# Altium PCB Carte_GR_2017_logique_v1_ECO_JEAN.PcbDoc (part 3 of 3)
Units mil, origin at the board's own origin, x right, y up, seen from the top; angles counter-clockwise.
Board outline 5300 x 3800 mil, 4 copper layers (Component Side, Ground, Power, Solder Side), stack 38.234 mil thick; 359 components, 303 nets, 1044 pads, 134 vias.
Unrouted connection lines stored in the file: 16.
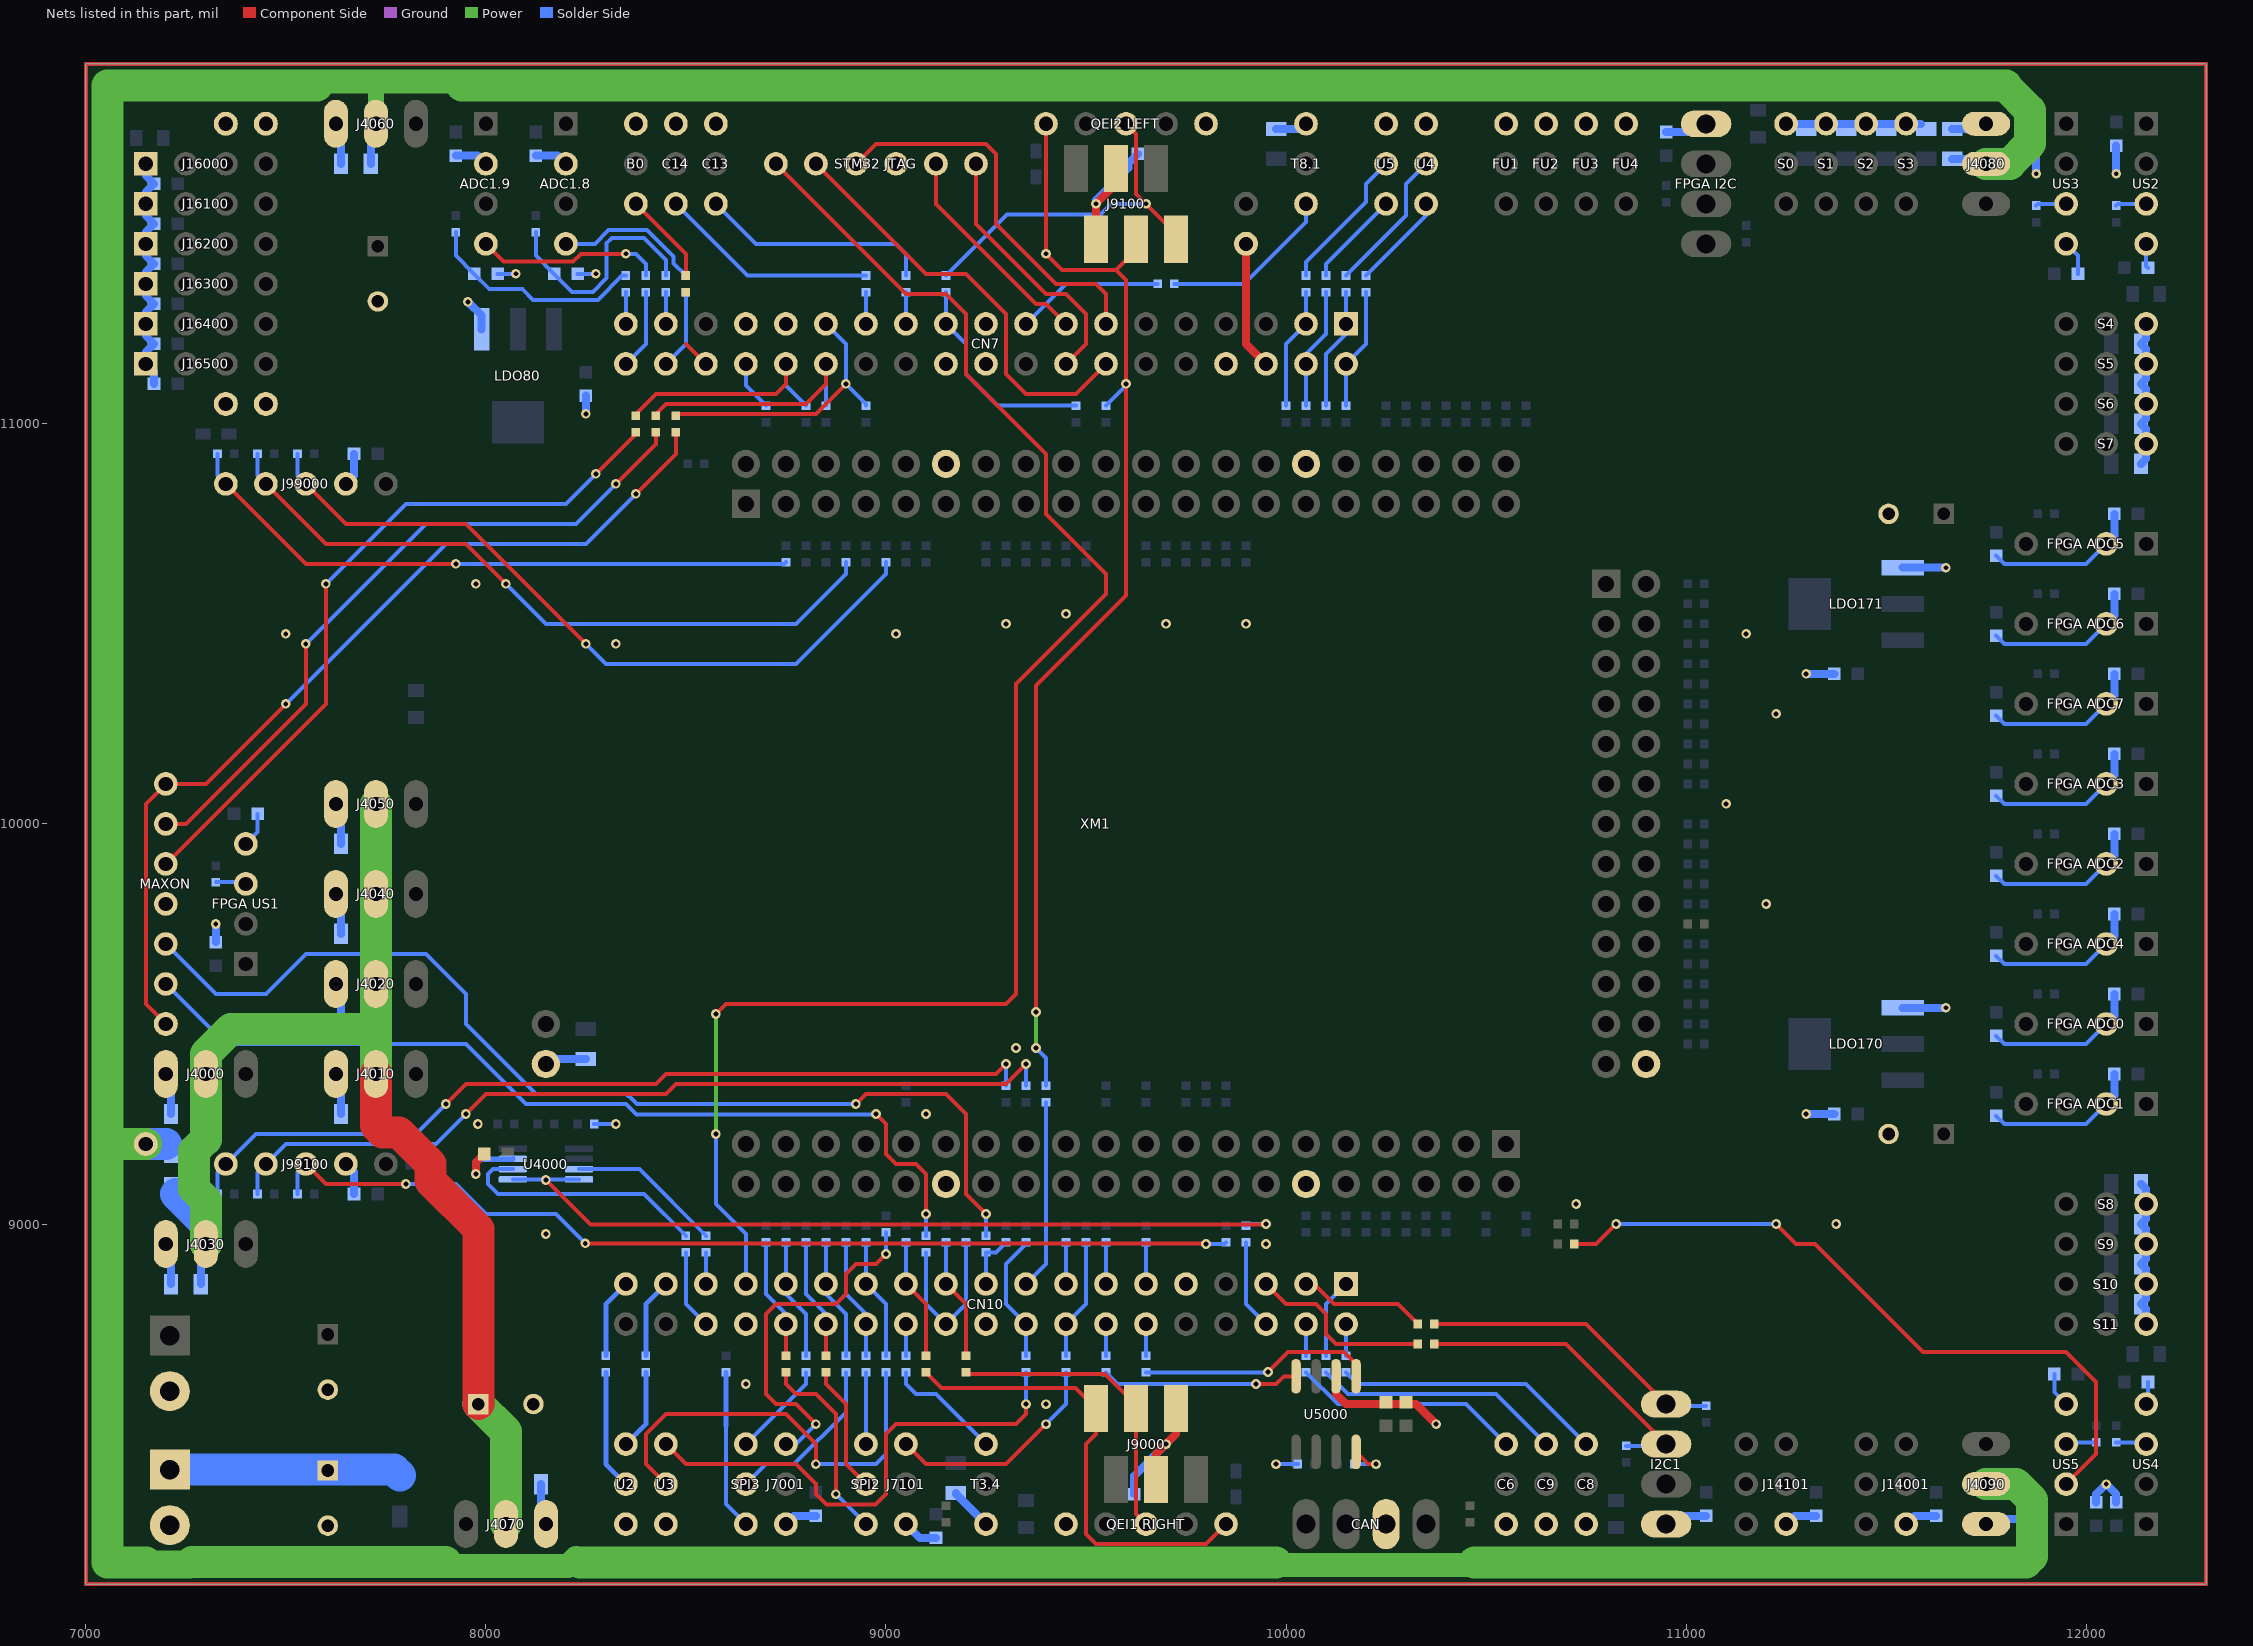
[diagram p5: the nets of this part, all layers, seen from the top]

## Via types
v1: diameter 24, hole 12, Component Side to Solder Side, 125 vias
v2: diameter 120, hole 120, Component Side to Solder Side, 5 vias
v3: diameter 24, hole 12, Component Side to Solder Side, tented top, 4 vias

## Nets (pads, with @x,y where several pads share a name; then routed paths per layer and width w, separated by ;. In a path a pad name is that pad's centre, name@x,y a point inside that pad or via, vN(x,y) a via of type N, cw(c..) or ccw(c..) an arc to the next point about the centre after c; other vN are vias at no path point) (continued)
FPGA_US5_TRIG: R80.1 US5.2 | length 1774.7
  Component Side w10: R80.1@10720.67,8950 10775,8950 v1(10825,9000) ; v1(11225,9000) 11275,8950 11322.42,8950 11591.92,8680.5 11949.5,8680.5 12025,8605 12025,8425 US5.2@11950,8350
  Solder Side w10: v1(10825,9000) v1(11225,9000)
GND: "FPGA ADC0.2" "FPGA ADC1.2" "FPGA ADC2.2" "FPGA ADC3.2" "FPGA ADC4.2" "FPGA ADC5.2" "FPGA ADC6.2" "FPGA ADC7.2" "FPGA I2C.1" "FPGA US1.4" "QEI1 RIGHT.1" "QEI2 LEFT.1" "STM32 JTAG.3" ADC1.8.2 ADC1.9.2 B0.1 B1.2 B2.2 C1.2 C2.2 C3.1 C6.1 C8.1 C9.1 C13.1 C14.1 C80.2 C81.2 C170.2 C171.2 C172.2 C173.2 C2100.1 C2400.1 C4000.1 C4001.2 C4002.2 C4010.1 C4020.1 C4030.1 C4040.1 C4050.1 C4060.1 C4070.1 C4080.1 C4090.1 C5000.2 C5001.2 C6100.2 C7000.2 C7100.2 C8000.2 C8001.1 C8100.2 C8101.1 C9000.2 C9100.2 C11000.1 C11010.1 C11020.1 C11030.1 C11040.1 C11050.1 C11060.1 C11070.1 C11080.1 C11090.1 C11100.1 C11110.1 C13000.2 C14000.2 C14100.2 C15000.2 C15001.1 C15100.2 C15101.1 C15200.2 C15201.1 C15300.2 C15301.1 C15400.2 C15401.1 C16000.2 C16100.2 C16200.2 C16300.2 C16400.2 C16500.2 C17000.2 C17001.1 C17100.2 C17101.1 C17200.2 C17201.1 C17300.2 C17301.1 C17400.2 C17401.1 C17500.2 C17501.1 C17600.2 C17601.1 C17700.2 C17701.1 C99000.2 C99100.2 CAN.2 CN7.8 CN7.19 CN7.20 CN7.22 CN10.9 CN10.20 CN10.32 FU1.1 FU2.1 FU3.1 FU4.1 I2C1.1 J4000.3 J4010.3 J4020.3 J4030.3 J4040.3 J4050.3 J4060.3 J4070.3 J4080.3 J4090.3 J7001.1 J7101.1 J9000.2 J9000.3 J9100.2 J9100.3 J14001.1 J14101.1 J16000.1 J16100.1 J16200.1 J16300.1 J16400.1 J16500.1 J99000.2 J99100.2 LDO80.1 LDO170.1 LDO171.1 MAXON.4 pad.1@7350,11050 pad.1@7350,11750 pad.1@7450,11050 pad.1@7450,11750 R4002.1 R5000.1 R5001.2 S0.1 S1.1 S2.1 S3.1 S4.1 S5.1 S6.1 S7.1 S8.1 S9.1 S10.1 S11.1 T3.4.1 T8.1.1 U2.1 U3.1 U4.1 U5.1 U4000.7 U5000.2 U5000.8 US2.4 US3.4 US4.4 US5.4 XM1.2 XM1.112 XM1.130 XM1.212 XM1.230 XM1.326 | length 82569.1
  Component Side w10: U5000.8@10175,8430.51 10205.51,8400 v1(10225,8400) ; 7000,8100 7000,11900 12300,11900 12300,8100 7000,8100
  Component Side w20: v1(7975,9125) 7975,9154.53 C4002.2@7995.47,9175 ; J9100.2@9525,11461.42 v1(9525,11550) 9575,11600 J9100.3@9575,11638.58 ; J9000.3@9675,8361.42 9675,8425 v1(9700,8450) 9725,8475 J9000.2@9725,8538.58 ; U5000.2@10125,8619.49 10125,8575 10150,8550 10325,8550 v1(10375,8500)
  Ground w10: 7000,8100 7000,11900 12300,11900 12300,8100 7000,8100
  Power w10: 7000,8100 7000,11900 12300,11900 12300,8100 7000,8100
  Solder Side w10: 7400,9950 7429.53,9979.53 C15001.1@7429.53,10025 ; C8001.1@8029.53,11375 v3(8075,11375) ; C8101.1@8229.53,11375 v1(8275,11375) ; R4002.1@8270.67,9250 v1(8325,9250) ; v1(9975,8400) R5001.2@10029.33,8400 ; R5000.1@10170.67,8400 v1(10225,8400) ; C17101.1@11775,9270.47 11795.47,9250 12000,9250 12050,9300 ; C17001.1@11775,9470.47 11795.47,9450 12000,9450 12050,9500 ; C17401.1@11775,9670.47 11795.47,9650 12000,9650 12050,9700 ; C17201.1@11775,9870.47 11795.47,9850 12000,9850 12050,9900 ; C17301.1@11775,10070.47 11795.47,10050 12000,10050 12050,10100 ; C17701.1@11775,10270.47 11795.47,10250 12000,10250 12050,10300 ; C17601.1@11775,10470.47 11795.47,10450 12000,10450 12050,10500 ; C17501.1@11775,10670.47 11795.47,10650 12000,10650 12050,10700 ; C15401.1@11920.47,8625 11920.47,8579.53 US5.4@11950,8550 ; US3.4@11950,11450 11979.53,11420.47 C15201.1@11979.53,11375 ; US4.4@12150,8550 12154.53,8554.53 C15301.1@12154.53,8605 ; US2.4@12150,11450 12150,11394.53 C15101.1@12154.53,11390 ; 7000,8100 7000,11900 12300,11900 12300,8100 7000,8100
  Solder Side w14: v1(7975,9125) 7975,9150 7986.58,9161.58 8066.11,9161.58 U4000.7@8067.32,9162.8
  Solder Side w20: J16000.1@7150,11650 7150,11620.47 C16000.2@7170.47,11600 7150,11579.53 J16100.1@7150,11550 7150,11520.47 C16100.2@7170.47,11500 7150,11479.53 J16200.1@7150,11450 7150,11420.47 C16200.2@7170.47,11400 7150,11379.53 J16300.1@7150,11350 7150,11320.47 C16300.2@7170.47,11300 7150,11279.53 J16400.1@7150,11250 7150,11220.47 C16400.2@7170.47,11200 7150,11179.53 J16500.1@7150,11150 7170.47,11129.53 C16500.2@7170.47,11100 ; J4030.3@7200,8950 7212.6,8937.4 C4030.1@7212.6,8850 ; J4000.3@7200,9375 7212.6,9362.4 C4000.1@7212.6,9275 ; C15000.2@7325,9704.53 v1(7325,9750) ; J4010.3@7625,9375 7637.6,9362.4 C4010.1@7637.6,9275 ; J4020.3@7625,9600 7637.6,9587.4 C4020.1@7637.6,9500 ; J4040.3@7625,9825 7637.6,9812.4 C4040.1@7637.6,9725 ; J4050.3@7625,10050 7637.6,10037.4 C4050.1@7637.6,9950 ; C4060.1@7637.6,11650 J4060.3@7637.6,11737.4 ; J99100.2@7650,9150 7670.47,9129.53 C99100.2@7670.47,9075 ; J99000.2@7650,10850 7670.47,10870.47 C99000.2@7670.47,10925 ; C8000.2@7925,11670.47 7979.53,11670.47 ADC1.9.2@8000,11650 ; v1(7955,11305) 7989.45,11270.55 LDO80.1@7989.45,11236.14 ; C8100.2@8125,11670.47 8179.53,11670.47 ADC1.8.2@8200,11650 ; C4070.1@8137.4,8350 8137.4,8262.6 J4070.3@8150,8250 ; XM1.2@8150,9400 8162.6,9412.6 C3.1@8250,9412.6 ; v1(8250,11025) C80.2@8250,11070.47 ; J7001.1@8750,8250 8770.47,8270.47 C7000.2@8825,8270.47 ; J7101.1@9050,8250 9084.53,8215.47 C7100.2@9125,8215.47 ; C2400.1@9175,8327.6 9175,8325 T3.4.1@9250,8250 ; v1(9525,11550) 9525,11559.03 9605.72,11639.75 9605.72,11651.19 C9100.2@9629.53,11675 ; C9000.2@9620.47,8325 9620.47,8370.47 v1(9700,8450) ; C2100.1@9975,11737.4 10037.4,11737.4 T8.1.1@10050,11750 ; I2C1.1@10950,8250 10970.47,8270.47 C6100.2@11050,8270.47 ; C13000.2@10950,11729.53 11029.53,11729.53 11050,11750 ; J14101.1@11250,8250 11270.47,8270.47 C14100.2@11325,8270.47 ; S0.1@11250,11750 S1.1@11350,11750 S2.1@11450,11750 S3.1@11550,11750 C11030.1@11587.4,11750 ; v1(11300,9275) C170.2@11370.47,9275 ; v1(11300,10375) C172.2@11370.47,10375 ; LDO170.1@11541.14,9540.55 v1(11649.45,9540.55) ; LDO171.1@11541.14,10640.55 v1(11649.45,10640.55) ; J14001.1@11550,8250 11570.47,8270.47 C14000.2@11625,8270.47 ; C4080.1@11665,11737.4 11737.4,11737.4 J4080.3@11750,11750 ; J4090.3@11750,8250 11762.6,8262.6 C4090.1@11850,8262.6 ; v1(11875,11625) C15200.2@11875,11695.47 ; C15400.2@12025,8304.53 12025,8325 v1(12050,8350) 12075,8325 C15300.2@12075,8304.53 ; 12050,9300 12070.47,9320.47 C17100.2@12070.47,9375 ; 12050,9500 12070.47,9520.47 C17000.2@12070.47,9575 ; 12050,9700 12070.47,9720.47 C17400.2@12070.47,9775 ; 12050,9900 12070.47,9920.47 C17200.2@12070.47,9975 ; 12050,10100 12070.47,10120.47 C17300.2@12070.47,10175 ; 12050,10300 12070.47,10320.47 C17700.2@12070.47,10375 ; 12050,10500 12070.47,10520.47 C17600.2@12070.47,10575 ; 12050,10700 12070.47,10720.47 C17500.2@12070.47,10775 ; v3(12075,11625) C15100.2@12075,11695.47 ; C11080.1@12137.4,9100 12150,9087.4 S8.1@12150,9050 12150,9012.6 C11090.1@12137.4,9000 12150,8987.4 S9.1@12150,8950 12150,8912.6 C11100.1@12137.4,8900 12150,8887.4 S10.1@12150,8850 12150,8812.6 C11110.1@12137.4,8800 12150,8787.4 S11.1@12150,8750 ; C11070.1@12137.4,10900 12150,10912.6 S7.1@12150,10950 12150,10987.4 C11060.1@12137.4,11000 12150,11012.6 S6.1@12150,11050 12150,11087.4 C11050.1@12137.4,11100 12150,11112.6 S5.1@12150,11150 12150,11187.4 C11040.1@12137.4,11200 12150,11212.6 S4.1@12150,11250
  other v1: 9400,8550 8650,8600 9950,8950 8150,8975 11375,9000 10725,9050 7980,9250 9100,9275 9325,9440 11200,9800 11100,10050 11225,10275 8325,10450 7500,10475 9025,10475 11150,10475 9300,10500 9700,10500 9900,10500 9450,10525 7975,10600
MAXON1_DIR: MAXON.6 R65.2 | length 2296.3
  Component Side w10: v1(8975,9275) 9000,9250 9000,9175 9025,9150 9075,9150 9100,9125 v1(9100,9025)
  Solder Side w10: MAXON.6@7200,9600 7350,9450 7950,9450 8100,9300 8350,9300 8376.5,9273.5 8973.5,9273.5 v1(8975,9275) ; R65.2@9100,8970.67 v1(9100,9025)
MAXON1_PWM: MAXON.5 R64.1 | length 2648.6
  Component Side w10: v1(8925,9300) 8950,9325 9150,9325 9200,9275 9200,9075 v1(9250,9025)
  Solder Side w10: MAXON.5@7200,9700 7325,9575 7450,9575 7550,9675 7850,9675 7950,9575 7950,9500 8125,9325 8350,9325 8355.5,9319.5 8358.08,9319.5 8377.58,9300 v1(8925,9300) ; R64.1@9250,8970.67 v1(9250,9025)
MAXON2_DIR: MAXON.2 R57.1 | length 1735.7
  Component Side w10: MAXON.2@7200,10000 7250,10000 7550,10300 v1(7550,10450) ; v1(8325,10850) 8425,10950 R57.1@8425,10979.33
  Solder Side w10: v1(7550,10450) 7850,10750 8225,10750 v1(8325,10850)
MAXON2_PWM: MAXON.3 R58.1 | length 1800.3
  Component Side w10: MAXON.3@7200,9900 7600,10300 v1(7600,10600) ; v1(8275,10875) 8375,10975 R58.1@8375,10979.33
  Solder Side w10: v1(7600,10600) 7800,10800 8200,10800 v1(8275,10875)
MAXON_EN: MAXON.1 pad.1@7200,9500 R56.2 | length 2312.5
  Component Side w10: pad.1@7200,9500 7150,9550 7150,10050 MAXON.1@7200,10100 7300,10100 v1(7500,10300) ; v1(8375,10825) 8475,10925 R56.2@8475,10979.33
  Solder Side w10: v1(7500,10300) 7900,10700 8250,10700 v1(8375,10825)
NetB2_1: B2.1 C2.1 FB2.2 | length 581.1
  Solder Side w80: B2.1@7210,8386 7770.18,8386 FB2.2@7785,8371.18
NUCLEO_ADC1.8_AIN: C8101.2 R12.2 R8100.1 | length 590.6
  Solder Side w10: R8100.1@8125,11479.33 8125,11420.47 C8101.2@8170.47,11375 8215.47,11330 8267.48,11330 8301.5,11364.02 8301.5,11451.5 8315,11465 8395,11465 8450,11410 R12.2@8450,11370.67
NUCLEO_ADC1.8_GPIO: ADC1.8.4 R22.1 | length 371.3
  Solder Side w10: ADC1.8.4@8200,11450 8272.42,11450 8306.92,11484.5 8403.08,11484.5 8469.5,11418.08 8469.5,11401.17 R22.1@8500,11370.67
NUCLEO_ADC1.9_AIN: C8001.2 R13.2 R8000.1 | length 554.7
  Solder Side w10: R8000.1@7925,11479.33 7925,11420.47 C8001.2@7970.47,11375 8008.97,11336.5 8090.98,11336.5 8117.48,11310 8280.02,11310 8340.68,11370.67 R13.2@8350,11370.67
NUCLEO_ADC1.9_GPIO: ADC1.9.4 R23.1 | length 465.8
  Component Side w10: ADC1.9.4@8000,11450 8044.03,11405.97 8218.24,11405.97 8237.26,11425 v3(8350,11425)
  Solder Side w10: v3(8350,11425) 8375,11425 8400,11400 R23.1@8400,11370.67
NUCLEO_CAN_RX: R43.1 U5000.4 | length 495.2
  Component Side w10: v1(9925,8600) 9975,8600 9994.49,8619.49 U5000.4@10025,8619.49
  Solder Side w10: R43.1@9550,8629.33 9579.33,8600 v1(9925,8600)
NUCLEO_CAN_TX: R42.1 U5000.1 | length 588.9
  Component Side w10: v1(9955,8630) 10005,8680 10145,8680 10175,8650 U5000.1@10175,8619.49
  Solder Side w10: R42.1@9650,8629.33 9954.33,8629.33 v1(9955,8630)
NUCLEO_DYNA_DIR: R41.1 U4000.4 U4000.5 | length 2064
  Component Side w10: v1(8150,9110) 8261.5,8998.5 9948.5,8998.5 v1(9950,9000)
  Solder Side w10: U4000.5@8067.32,9111.61 U4000.4@8232.68,9111.61 ; R41.1@9900,8995.67 9904.33,9000 v1(9950,9000)
NUCLEO_DYNA_RX: R38.2 U4000.3 | length 386.3
  Solder Side w10: U4000.3@8232.68,9137.2 8383.46,9137.2 R38.2@8550,8970.67
NUCLEO_DYNA_TX: R51.1 U4000.6 | length 640.9
  Solder Side w10: U4000.6@8067.32,9137.2 8017.2,9137.2 8005,9125 8005,9100 8030,9075 8395.67,9075 R51.1@8500,8970.67
NUCLEO_GPIO_PB0: B0.3 R21.1 | length 231.1
  Component Side w10: B0.3@8375,11550 8500,11425 R21.1@8500,11370.67
NUCLEO_GPIO_PC6: C6.3 R40.1 | length 574.3
  Solder Side w10: R40.1@10050,8629.33 10129.33,8550 10450,8550 C6.3@10550,8450
NUCLEO_GPIO_PC8: C8.3 R39.1 | length 674.3
  Solder Side w10: R39.1@10150,8629.33 10179.33,8600 10600,8600 C8.3@10750,8450
NUCLEO_GPIO_PC9: C9.3 R24.2 | length 624.3
  Solder Side w10: R24.2@10100,8629.33 10154.33,8575 10525,8575 C9.3@10650,8450
NUCLEO_GPIO_PC13: C13.3 R7.1 | length 581.1
  Solder Side w10: C13.3@8575,11550 8675,11450 9025,11450 9050,11425 R7.1@9050,11370.67
NUCLEO_GPIO_PC14: C14.3 R8.1 | length 549.3
  Solder Side w10: C14.3@8475,11550 8654.33,11370.67 R8.1@8950,11370.67
NUCLEO_I2C1_SCL: I2C1.4 R25.2 R6101.1 | length 764
  Component Side w10: R25.2@10370.67,8750 10750,8750 I2C1.4@10950,8550
  Solder Side w10: I2C1.4@10950,8550 10954.33,8545.67 R6101.1@11050,8545.67
NUCLEO_I2C1_SDA: I2C1.3 R26.2 R6100.1 | length 784.7
  Component Side w10: R26.2@10370.67,8700 10700,8700 I2C1.3@10950,8450
  Solder Side w10: R6100.1@10850,8445.67 10945.67,8445.67 I2C1.3@10950,8450
NUCLEO_I2C2_SCL: 
NUCLEO_I2C2_SDA: 
NUCLEO_PWM_T3.2: 
NUCLEO_PWM_T3.4: R47.1 T3.4.3 | length 291.5
  Solder Side w10: R47.1@9050,8629.33 9050,8600 9075,8575 9125,8575 T3.4.3@9250,8450
NUCLEO_PWM_T4.1: 
NUCLEO_PWM_T4.2: 
NUCLEO_PWM_T4.3: 
NUCLEO_PWM_T8.1: R54.2 T8.1.3 | length 438.5
  Solder Side w10: R54.2@9720.67,11350 9895,11350 10050,11505 T8.1.3@10050,11550
NUCLEO_SPI2_MISO: R68.2 SPI2.2 | length 320.8
  Component Side w10: R68.2@8850,8629.33 8850,8600 8900,8550 8900,8400 SPI2.2@8950,8350
NUCLEO_SPI2_MOSI: R69.2 SPI2.3 | length 179.3
  Solder Side w10: SPI2.3@8950,8450 R69.2@8950,8629.33
NUCLEO_SPI2_NSS: J7101.3 R70.2 | length 562.2
  Component Side w10: J7101.3@9050,8450 9100,8400 9300,8400 v1(9400,8500)
  Solder Side w10: v1(9400,8500) 9450,8550 R70.2@9450,8629.33
NUCLEO_SPI2_SCK: R67.2 SPI2.1 | length 491.5
  Component Side w10: R67.2@8750,8629.33 8750,8600 8775,8575 8825,8575 8875,8525 v1(8875,8325)
  Solder Side w10: v1(8875,8325) SPI2.1@8950,8250
NUCLEO_SPI3_MISO: R62.2 SPI3.2 | length 424.3
  Solder Side w10: SPI3.2@8650,8350 8700,8400 8770.67,8400 8900,8529.33 R62.2@8900,8629.33
NUCLEO_SPI3_MOSI: R63.2 SPI3.3 | length 241.5
  Solder Side w10: SPI3.3@8650,8450 8800,8600 R63.2@8800,8629.33
NUCLEO_SPI3_NSS: J7001.3 R82.2 | length 897.5
  Component Side w10: v1(8825,8500) 8775,8550 8725,8550 8700,8575 8700,8775 8725,8800 8875,8800 8900,8825 8900,8875 8925,8900 8975,8900 v1(9000,8925)
  Solder Side w10: J7001.3@8750,8450 8775,8450 v1(8825,8500) ; v1(9000,8925) R82.2@9000,8979.33
NUCLEO_SPI3_SCK: R61.2 SPI3.1 | length 400
  Solder Side w10: 8600,8495 8600,8300 SPI3.1@8650,8250
  Solder Side w12: 8600,8495 R61.2@8600,8629.33
NUCLEO_UART2_RX: R152.2 U2.2 | length 300
  Solder Side w12: R152.2@8300,8629.33 8300,8400 U2.2@8350,8350
NUCLEO_UART2_TX: R151.2 U2.3 | length 200
  Solder Side w12: U2.3@8350,8450 8400,8500 R151.2@8400,8629.33
NUCLEO_UART3_RX: R66.2 U3.3 | length 1263.4
  Component Side w10: U3.3@8450,8450 8500,8400 8775,8400 8825,8350 8825,8325 8851.5,8298.5 8973.5,8298.5 9000,8325 9000,8475 9025,8500 9325,8500 9350,8525 v1(9350,8550)
  Solder Side w10: v1(9350,8550) R66.2@9350,8629.33
NUCLEO_UART3_TX: R60.2 U3.2 | length 1062.2
  Component Side w10: U3.2@8450,8350 8400,8400 8400,8475 8450,8525 8750,8525 8825,8450 v1(8825,8400)
  Solder Side w10: v1(8825,8400) 8975,8400 9000,8425 R60.2@9000,8629.33
NUCLEO_UART4_RX: R14.1 U4.3 | length 241.5
  Solder Side w10: R14.1@10200,11370.67 10350,11520.67 U4.3@10350,11550
NUCLEO_UART4_TX: R52.2 U4.2 | length 362.2
  Solder Side w10: R52.2@10150,11370.67 10300,11520.67 10300,11600 U4.2@10350,11650
NUCLEO_UART5_RX: R15.1 U5.3 | length 241.5
  Solder Side w10: R15.1@10100,11370.67 10100,11400 U5.3@10250,11550
NUCLEO_UART5_TX: R53.2 U5.2 | length 362.2
  Solder Side w10: R53.2@10050,11370.67 10050,11405 10200,11555 10200,11600 U5.2@10250,11650
OLD_HALL_L_L: J99000.4 R111.2 R99001.1 | length 1759.6
  Component Side w10: J99000.4@7450,10850 7600,10700 7950,10700 v1(8050,10600)
  Solder Side w10: R99001.1@7429.33,10925 7429.33,10870.67 J99000.4@7450,10850 ; v1(8050,10600) 8150,10500 8775,10500 8900,10625 R111.2@8900,10654.33
OLD_HALL_L_U: J99000.3 R112.2 R99000.1 | length 1842.5
  Component Side w10: J99000.3@7550,10850 7650,10750 7950,10750 v1(8250,10450)
  Solder Side w10: R99000.1@7529.33,10925 7529.33,10870.67 J99000.3@7550,10850 ; v1(8250,10450) 8300,10400 8775,10400 9000,10625 R112.2@9000,10654.33
OLD_HALL_L_V: J99000.5 R95.1 R99002.1 | length 1568.2
  Component Side w10: J99000.5@7350,10850 7550,10650 v1(7925,10650)
  Solder Side w10: R99002.1@7329.33,10925 7329.33,10870.67 J99000.5@7350,10850 ; v1(7925,10650) 8745.67,10650 R95.1@8750,10654.33
OLD_HALL_R_L: J99100.4 R84.2 R99101.1 | length 2141.4
  Component Side w10: v1(7950,9275) 8000,9325 8450,9325 8475,9350 9300,9350 v1(9350,9400)
  Solder Side w10: R99101.1@7429.33,9075 7429.33,9129.33 J99100.4@7450,9150 7500,9200 7875,9200 v1(7950,9275) ; R84.2@9350,9345.67 v1(9350,9400)
OLD_HALL_R_U: J99100.3 R75.1 R99100.1 | length 2468.2
  Component Side w10: J99100.3@7550,9150 7600,9100 v1(7800,9100) ; v1(8248.5,8951.5) 9798.5,8951.5 v1(9800,8950)
  Solder Side w10: R99100.1@7529.33,9075 7529.33,9129.33 J99100.3@7550,9150 ; v1(7800,9100) 7925,9100 8000,9025 8175,9025 v1(8248.5,8951.5) ; v1(9800,8950) 9845.67,8950 R75.1@9850,8954.33
OLD_HALL_R_V: J99100.5 R73.1 R99102.1 | length 2191.4
  Component Side w10: v1(7900,9300) 7950,9350 8425,9350 8450,9375 9275,9375 v1(9300,9400)
  Solder Side w10: R99102.1@7329.33,9075 7329.33,9129.33 J99100.5@7350,9150 7425,9225 7825,9225 v1(7900,9300) ; R73.1@9300,9345.67 v1(9300,9400)
QEI1_CH_A: "QEI1 RIGHT.3" J9000.4 R71.2 | length 766.9
  Component Side w10: R71.2@9200,8629.33 9204.33,8625 9547.67,8625 9625,8547.67 J9000.4@9625,8538.58 9625,8275 9650,8250
QEI1_CH_B: "QEI1 RIGHT.5" J9000.6 R72.2 | length 1167.6
  Component Side w10: R72.2@9100,8629.33 9139.33,8590 9473.58,8590 J9000.6@9525,8538.58 9525,8475 9500,8450 9500,8225 9525,8200 9800,8200 9850,8250
QEI2_CH_A: "QEI2 LEFT.5" J9100.4 R148.2 R153.1 | length 2842.1
  Component Side w10: v1(9375,9530) 9375,10346 9600.07,10571.07 v1(9600.07,11100) 9600.07,11359.93 9575,11385 ; 9400,11750 v1(9400,11425) 9440,11385 9575,11385 ; J9100.4@9625,11461.42 9625,11435 9575,11385
  Power w10: v1(9375,9440) v1(9375,9530)
  Solder Side w10: v1(9375,9440) 9400,9415 R148.2@9400,9345.67 ; R153.1@9550,11045.67 9600.07,11095.74 v1(9600.07,11100)
QEI2_CH_B: "QEI2 LEFT.3" J9100.6 R6.1 | length 914.6
  Component Side w10: 9600,11750 9625,11725 9625,11575 v1(9650,11550) 9725,11475 J9100.6@9725,11461.42
  Solder Side w10: R6.1@9150,11370.67 9302.83,11523.5 9535.98,11523.5 9562.48,11550 v1(9650,11550)
STM32_3V3: "STM32 JTAG.1" CN7.16 | length 663.9
  Component Side w10: 9225,11650 9225,11500 9400,11325 9450,11325 9500,11275 9500,11200 CN7.16@9450,11150
STM32_E5V: CN7.6 pad.21 | length 320.7
  Component Side w20: pad.21@9900,11450 9900,11200 CN7.6@9950,11150
STM32_NRST: "STM32 JTAG.5" CN7.14 | length 1082.1
  Component Side w10: 8825,11650 9100,11375 9200,11375 9300,11275 9300,11125 9350,11075 9475,11075 CN7.14@9550,11150
STM32_PA0: CN7.28 R18.2 R57.2 | length 614.7
  Component Side w10: R57.2@8425,11020.67 8425,11025 8450,11050 8800,11050 8850,11100 CN7.28@8850,11150
  Solder Side w10: R18.2@8850,11045.67 CN7.28@8850,11150
STM32_PA1: CN7.30 R19.2 R58.2 | length 585.4
  Component Side w10: R58.2@8375,11020.67 8375,11025 8425,11075 8725,11075 8750,11100 CN7.30@8750,11150
  Solder Side w10: CN7.30@8750,11150 8750,11095.67 R19.2@8800,11045.67
STM32_PA2: CN10.35 R151.1 | length 200
  Solder Side w12: R151.1@8400,8670.67 8400,8800 CN10.35@8450,8850
STM32_PA3: CN10.37 R152.1 | length 200
  Solder Side w12: R152.1@8300,8670.67 8300,8800 CN10.37@8350,8850
STM32_PA4: CN7.32 R20.2 | length 125
  Solder Side w10: CN7.32@8650,11150 8650,11095.67 R20.2@8700,11045.67
STM32_PA5: CN10.11 R27.1 | length 104.3
  Solder Side w10: CN10.11@9650,8850 R27.1@9650,8954.33
STM32_PA6: CN10.13 R28.1 | length 104.3
  Solder Side w10: CN10.13@9550,8850 R28.1@9550,8954.33
STM32_PA7: CN10.15 R29.1 | length 104.3
  Solder Side w10: CN10.15@9450,8850 R29.1@9450,8954.33
STM32_PA8: CN10.23 R33.1 R72.1 | length 304.4
  Component Side w10: CN10.23@9050,8850 9100,8800 R72.1@9100,8670.67
  Solder Side w10: CN10.23@9050,8850 R33.1@9050,8954.33
STM32_PA9: CN10.21 R32.1 R71.1 | length 304.4
  Component Side w10: CN10.21@9150,8850 9200,8800 R71.1@9200,8670.67
  Solder Side w10: CN10.21@9150,8850 R32.1@9150,8954.33
STM32_PA10: CN10.33 R38.1 | length 79.3
  Solder Side w10: CN10.33@8550,8850 R38.1@8550,8929.33
STM32_PA11: CN10.14 R43.2 | length 79.3
  Solder Side w10: R43.2@9550,8670.67 CN10.14@9550,8750
STM32_PA12: CN10.12 R42.2 | length 79.3
  Solder Side w10: R42.2@9650,8670.67 CN10.12@9650,8750
STM32_PA13: "STM32 JTAG.4" CN7.13 | length 978.6
  Component Side w10: 8925,11650 8975,11700 9250,11700 9275,11675 9275,11500 9425,11350 9525,11350 9550,11325 CN7.13@9550,11250
STM32_PA14: "STM32 JTAG.2" CN7.15 | length 549.3
  Component Side w10: 9125,11650 9125,11550 9375,11300 9400,11300 CN7.15@9450,11250
STM32_PA15: CN7.17 R54.1 | length 370.8
  Solder Side w10: CN7.17@9350,11250 9450,11350 R54.1@9679.33,11350
STM32_PB0: CN7.34 R21.2 | length 70.7
  Component Side w10: 8500,11200 CN7.34@8550,11150
STM32_PB1: CN10.24 R47.2 | length 79.3
  Solder Side w10: R47.2@9050,8670.67 CN10.24@9050,8750
STM32_PB2: CN10.22 R46.2 R65.1 | length 425.1
  Solder Side w10: R65.1@9100,8929.33 9100,8800 CN10.22@9150,8750 9200,8800 R46.2@9200,8954.33
STM32_PB3: "STM32 JTAG.6" CN10.31 | length 4045.3
  Component Side w10: v1(8575,9525) 8600,9550 9300,9550 9325,9575 9325,10350 9550,10575 9550,10625 9400,10775 9400,10925 9200,11125 9200,11275 9150,11325 9050,11325 8725,11650
  Power w10: v1(8575,9225) v1(8575,9525)
  Solder Side w10: v1(8575,9225) 8575,9050 8650,8975 CN10.31@8650,8850
STM32_PB4: CN10.27 R35.1 R62.1 | length 304.4
  Solder Side w10: R35.1@8850,8954.33 CN10.27@8850,8850 8850,8825 8900,8775 R62.1@8900,8670.67
STM32_PB5: CN10.29 R36.1 R63.1 | length 304.4
  Solder Side w10: R36.1@8750,8954.33 CN10.29@8750,8850 8750,8825 8800,8775 R63.1@8800,8670.67
STM32_PB6: CN10.17 R148.1 | length 475
  Solder Side w10: CN10.17@9350,8850 9400,8900 R148.1@9400,9304.33
STM32_PB7: CN7.21 R5.2 R6.2 | length 532.9
  Solder Side w10: R6.2@9150,11329.33 CN7.21@9150,11250 9200,11200 9200,11125 9279.33,11045.67 R5.2@9475,11045.67
STM32_PB8: CN10.3 R25.1 | length 320.8
  Component Side w10: CN10.3@10050,8850 10070,8850 10120,8800 10279.33,8800 R25.1@10329.33,8750
STM32_PB9: CN10.5 R26.1 | length 470.8
  Component Side w10: CN10.5@9950,8850 10000,8800 10075,8800 10100,8775 10100,8725 10125,8700 R26.1@10329.33,8700
STM32_PB10: CN10.25 R34.1 R60.1 | length 304.4
  Solder Side w10: R34.1@8950,8954.33 CN10.25@8950,8850 9000,8800 R60.1@9000,8670.67
STM32_PB11: CN10.18 R45.2 R66.1 | length 325.1
  Solder Side w10: R66.1@9350,8670.67 CN10.18@9350,8750 9300,8800 9300,8900 9350,8950 R45.2@9350,8954.33
STM32_PB12: CN10.16 R44.2 R70.1 | length 304.4
  Solder Side w10: R70.1@9450,8670.67 CN10.16@9450,8750 9500,8800 R44.2@9500,8954.33
STM32_PB13: CN10.30 R50.2 R67.1 | length 304.4
  Component Side w10: R67.1@8750,8670.67 CN10.30@8750,8750
  Solder Side w10: R50.2@8700,8954.33 8700,8825 8750,8775 CN10.30@8750,8750
STM32_PB14: CN10.28 R49.2 R68.1 | length 304.4
  Component Side w10: R68.1@8850,8670.67 CN10.28@8850,8750
  Solder Side w10: R49.2@8800,8954.33 8800,8825 8850,8775 CN10.28@8850,8750
STM32_PB15: CN10.26 R48.2 R69.1 | length 304.4
  Solder Side w10: R48.2@8900,8954.33 8900,8825 8950,8775 CN10.26@8950,8750 R69.1@8950,8670.67
STM32_PC0: CN7.38 R23.2 | length 200
  Solder Side w10: CN7.38@8350,11150 8400,11200 R23.2@8400,11329.33
STM32_PC1: CN7.36 R22.2 | length 200
  Solder Side w10: CN7.36@8450,11150 8500,11200 R22.2@8500,11329.33
STM32_PC2: CN7.35 R12.1 | length 79.3
  Solder Side w10: CN7.35@8450,11250 R12.1@8450,11329.33
STM32_PC3: CN7.37 R13.1 | length 79.3
  Solder Side w10: CN7.37@8350,11250 R13.1@8350,11329.33
STM32_PC4: CN10.34 R51.2 | length 200
  Solder Side w10: R51.2@8500,8929.33 8500,8800 CN10.34@8550,8750
STM32_PC5: CN10.6 R41.2 | length 225
  Solder Side w10: R41.2@9900,8954.33 9900,8800 CN10.6@9950,8750
STM32_PC6: CN10.4 R40.2 | length 79.3
  Solder Side w10: R40.2@10050,8670.67 CN10.4@10050,8750
STM32_PC7: CN10.19 R31.1 R64.2 | length 139.7
  Solder Side w10: CN10.19@9250,8850 R64.2@9250,8929.33 9275,8929.33 R31.1@9300,8954.33
STM32_PC8: CN10.2 R39.2 | length 79.3
  Solder Side w10: R39.2@10150,8670.67 CN10.2@10150,8750
STM32_PC9: CN10.1 R24.1 | length 200
  Solder Side w10: R24.1@10100,8670.67 10100,8800 CN10.1@10150,8850
STM32_PC10: CN7.1 R1.2 R52.1 | length 304.4
  Solder Side w10: R1.2@10100,11045.67 10100,11175 10150,11225 CN7.1@10150,11250 R52.1@10150,11329.33
STM32_PC11: CN7.2 R14.2 R16.2 | length 304.4
  Solder Side w10: R16.2@10150,11045.67 CN7.2@10150,11150 10200,11200 R14.2@10200,11329.33
STM32_PC12: CN7.3 R2.2 R53.1 | length 304.4
  Solder Side w10: R2.2@10000,11045.67 10000,11200 CN7.3@10050,11250 R53.1@10050,11329.33
STM32_PC13: CN7.23 R7.2 | length 79.3
  Solder Side w10: CN7.23@9050,11250 R7.2@9050,11329.33
STM32_PC14: CN7.25 R8.2 | length 79.3
  Solder Side w10: CN7.25@8950,11250 R8.2@8950,11329.33
STM32_PC15: CN7.27 R9.2 R56.1 | length 703.6
  Component Side w10: R56.1@8475,11020.67 8479.33,11025 8825,11025 v1(8900,11100)
  Solder Side w10: CN7.27@8850,11250 8900,11200 v1(8900,11100) 8950,11050 R9.2@8950,11045.67
STM32_PD2: CN7.4 R15.2 R17.2 | length 304.4
  Solder Side w10: R17.2@10050,11045.67 CN7.4@10050,11150 10050,11175 10100,11225 R15.2@10100,11329.33
STM32_PF0: CN7.29
STM32_PF1: CN7.31
US1_IN: "FPGA US1.3" R15000.2 | length 76.8
  Solder Side w10: R15000.2@7325,9854.33 7395.67,9854.33 7400,9850
US2_IN: R15100.2 US2.3 | length 76.8
  Solder Side w10: R15100.2@12075,11545.67 12079.33,11550 US2.3@12150,11550
US3_IN: R15200.2 US3.3 | length 76.8
  Solder Side w10: R15200.2@11875,11545.67 11879.33,11550 US3.3@11950,11550
US4_IN: R15300.2 US4.3 | length 76.8
  Solder Side w10: R15300.2@12075,8454.33 12145.67,8454.33 US4.3@12150,8450
US5_IN: R15400.2 US5.3 | length 76.8
  Solder Side w10: US5.3@11950,8450 11954.33,8454.33 R15400.2@12025,8454.33
VCC_DYNA: C4000.2 C4001.1 C4010.2 C4020.2 C4030.2 C4040.2 C4050.2 C4060.2 C4070.2 C4080.2 C4090.2 J4000.2 J4010.2 J4020.2 J4030.2 J4040.2 J4050.2 J4060.2 J4070.2 J4080.2 J4090.2 pad.18 SB4.1 SB4.2 | length 18189.3
  Component Side w80: J4010.2@7725,9375 7725,9246.01 7741.98,9229.03 7782.73,9229.03 7861.5,9150.26 7861.5,9107.5 7981.1,8987.9 C4001.1@7981.1,8550
  Power w40: J4060.2@7725,11750 7725,11850.5
  Power w60: 7578.07,11845.5 7588.07,11855.5 7940.5,11855.5 ; 7899.5,8155 7909.5,8145 8205,8145 8225,8165 ; 9975,8154.5 9981.99,8147.51 10463.49,8147.51 10470.48,8154.5
  Power w70: 7150,8154.5 7155,8149.5 7260,8149.5 7265.5,8155
  Power w80: 7150,8154.5 7054.5,8154.5 7054.5,9200 ; pad.18@7150,9200 7054.5,9200 ; 7265.5,8155 7899.5,8155 ; J4030.2@7300,8950 7300,9059.21 7270.97,9088.24 7270.97,9182.73 7300,9211.76 J4000.2@7300,9375 7300,9425 7362.5,9487.5 7725,9487.5 ; 7578.07,11845.5 7054.5,11845.5 7054.5,9200 ; J4010.2@7725,9375 7725,9487.5 ; J4050.2@7725,10050 J4040.2@7725,9825 J4020.2@7725,9600 7725,9487.5 ; 7940.5,11845.5 11800,11845.5 11800,11842.43 11859.5,11782.93 11859.5,11700.5 11809,11650 J4080.2@11750,11650 ; C4001.1@7981.1,8550 8050,8481.1 J4070.2@8050,8250 ; 8235.5,8154.5 9975,8154.5 ; 10470.48,8154.5 11850,8154.5 11865,8169.5 11865,8310 11825,8350 J4090.2@11750,8350
  Solder Side w20: C4030.2@7287.4,8850 7287.4,8937.4 J4030.2@7300,8950 ; C4000.2@7287.4,9275 7287.4,9362.4 J4000.2@7300,9375 ; C4010.2@7712.4,9275 7712.4,9362.4 J4010.2@7725,9375 ; C4020.2@7712.4,9500 7712.4,9587.4 J4020.2@7725,9600 ; C4040.2@7712.4,9725 7712.4,9812.4 J4040.2@7725,9825 ; C4050.2@7712.4,9950 7712.4,10037.4 J4050.2@7725,10050 ; C4060.2@7712.4,11650 7712.4,11737.4 J4060.2@7725,11750 ; J4070.2@8050,8250 8062.6,8262.6 C4070.2@8062.6,8350 ; C4080.2@11665,11662.6 11737.4,11662.6 J4080.2@11750,11650 ; J4090.2@11750,8350 11762.6,8337.4 C4090.2@11850,8337.4
  Solder Side w80: pad.18@7150,9200 7150,9199.91 7200,9199.91 ; 7225,9075 7300,9000 J4030.2@7300,8950
pads on no net: "QEI1 RIGHT.2" "QEI2 LEFT.2" CN7.5 CN7.7 CN7.9 CN7.10 CN7.11 CN7.12 CN7.18 CN7.24 CN7.26 CN7.33 CN10.7 CN10.10 CN10.36 CN10.38 J9000.5 J9100.5 LDO80.4 LDO170.4 LDO171.4 U5000.5 XM1.111 XM1.129 XM1.211 XM1.229 XM1.301
copper on no net:
  other v2: 7850,8950 11550,8950 9700,10000 7850,11050 11550,11050

## Polygon pours and split planes (outlines as drawn)
GND on Power "GND_2" (solid, remove dead copper, pour order 22): 7125,11775 7125,8225 12175,8225 12175,11775 7125,11775
3.3V_ADC_FPGA_0 on Power "3.3V_ADC_FPGA_0" (solid, remove dead copper, pour order 8): 11600,9500 11600,9150 12200,9150 12200,9950 12100,9950 12100,9250 11700,9250 11700,9500 11600,9500
3.3V_ADC_FPGA_1 on Power "3.3V_ADC_FPGA_1" (solid, remove dead copper, pour order 6): 11600,10825 11600,10500 11700,10500 11700,10750 12100,10750 12100,10050 12200,10050 12200,10850 11600,10850 11600,10825
3.3V_ADC_NUCLEO on Power "3.3V_ADC_NUCLEO" (solid, remove dead copper, pour order 4): 7675,11500 7675,11400 7950,11400 7950,11275 8250,11275 8250,11800 7950,11800 7950,11500
GND on Ground "GND" (solid, remove dead copper, pour order 14): 7025,11875 7025,8125 12275,8125 12275,11875 7025,11875
5V_SERVO on Solder Side "5V_SERVO" (solid, remove dead copper, pour order 18): 7000,11900 7000,8100 12300,8100 12300,9125 12175,9125 12175,8225 7125,8225 7125,11775 12175,11775 12175,10900 12300,10900 12300,11900 7000,11900
5V on Component Side "5V_LOGIQUE" (solid, remove dead copper, pour order 20): 7000,11900 7000,8100 12300,8100 12300,9125 12175,9125 12180,9120 12180,8225 7125,8225 7125,11775 12175,11775 12175,10900 12300,10900 12300,11900 7000,11900

## Other copper
Component Side:
  text "1" at 12225,10800 h70
Ground:
  pour cut-out: 12215,10870 12215,10525 12265,10525 12265,10870
  text "2" at 12225,10725 h70
Power:
  text "3" at 12225,10650 h70
Solder Side:
  text "4" at 12225,10575 h70

## Silkscreen, mask and mechanical layers (free items; w line width, h text height)
Top Overlay:
  text "0" at 7175,11710 h70 r90
  text "STM32" at 8370,11445 h70
  text "STM32" at 9945,11445 h70
  text "STM32" at 10205,11445 h70
  text "FPGA" at 10625,11445 h70
  text "FPGA US" at 12075,11410 h70 r90
  text "GPIO" at 8395,11395 h70
  text "PWM" at 9975,11395 h70
  text "UART" at 10220,11395 h70
  text "UART" at 10625,11395 h70
  text "FPGA PWM" at 11220,11395 h70
  text "STM32" at 8000,11345 h70
  text "ADC" at 8030,11295 h70
  text "FPGA PWM" at 11790,11280 h70 r270
  text "FPGA STEPPER" at 7555,11110 h70 r90
  text "5" at 7175,11060 h70 r90
  text "L" at 7140,10125 h70 r90
  text "R" at 7140,9545 h70 r90
  text "FPGA PWM" at 11790,9080 h70 r270
  text "STM32 I2C" at 11100,8655 h70 r180
  text "UART" at 8485,8605 h70 r180
  text "SPI" at 8730,8605 h70 r180
  text "SPI" at 9055,8605 h70 r180
  text "PWM" at 9322,8605 h70 r180
  text "GPIO" at 10730,8605 h70 r180
  text "SPI" at 11255,8605 h70 r180
  text "SPI" at 11555,8605 h70 r180
  text "FPGA US" at 12025,8590 h70 r270
  text "STM32" at 8500,8555 h70 r180
  text "STM32" at 8805,8555 h70 r180
  text "STM32" at 9105,8555 h70 r180
  text "STM32" at 9352,8555 h70 r180
  text "STM32" at 10755,8555 h70 r180
  text "FPGA" at 11275,8555 h70 r180
  text "FPGA" at 11575,8555 h70 r180
  text "5V LOG" at 7835,8520 h90 r90
  text "5V SERV" at 7840,8145 h90 r90

## Text inside footprints (layer, text, board x,y; h text height)
C1: Top Overlay "+" at 7505,8780 h59.06 r90
C2: Top Overlay "+" at 7505,8430 h59.06 r90
C81: Top Overlay "+" at 7705,11535 h59.06 r90
C171: Top Overlay "+" at 11744.29,9197.44 h59.06
C173: Top Overlay "+" at 11744.29,10747.44 h59.06
C4001: Top Overlay "+" at 7940,8710 h59.06 r180